# Altium PCB qfc.PcbDoc (part 10 of 13)
Units mil, origin at the board's own origin, x right, y up, seen from the top; angles counter-clockwise.
Board outline 1990 x 2620 mil, 4 copper layers (Top Layer, Mid-Layer 1, Mid-Layer 2, Bottom Layer); 217 components, 187 nets, 805 pads, 370 vias.
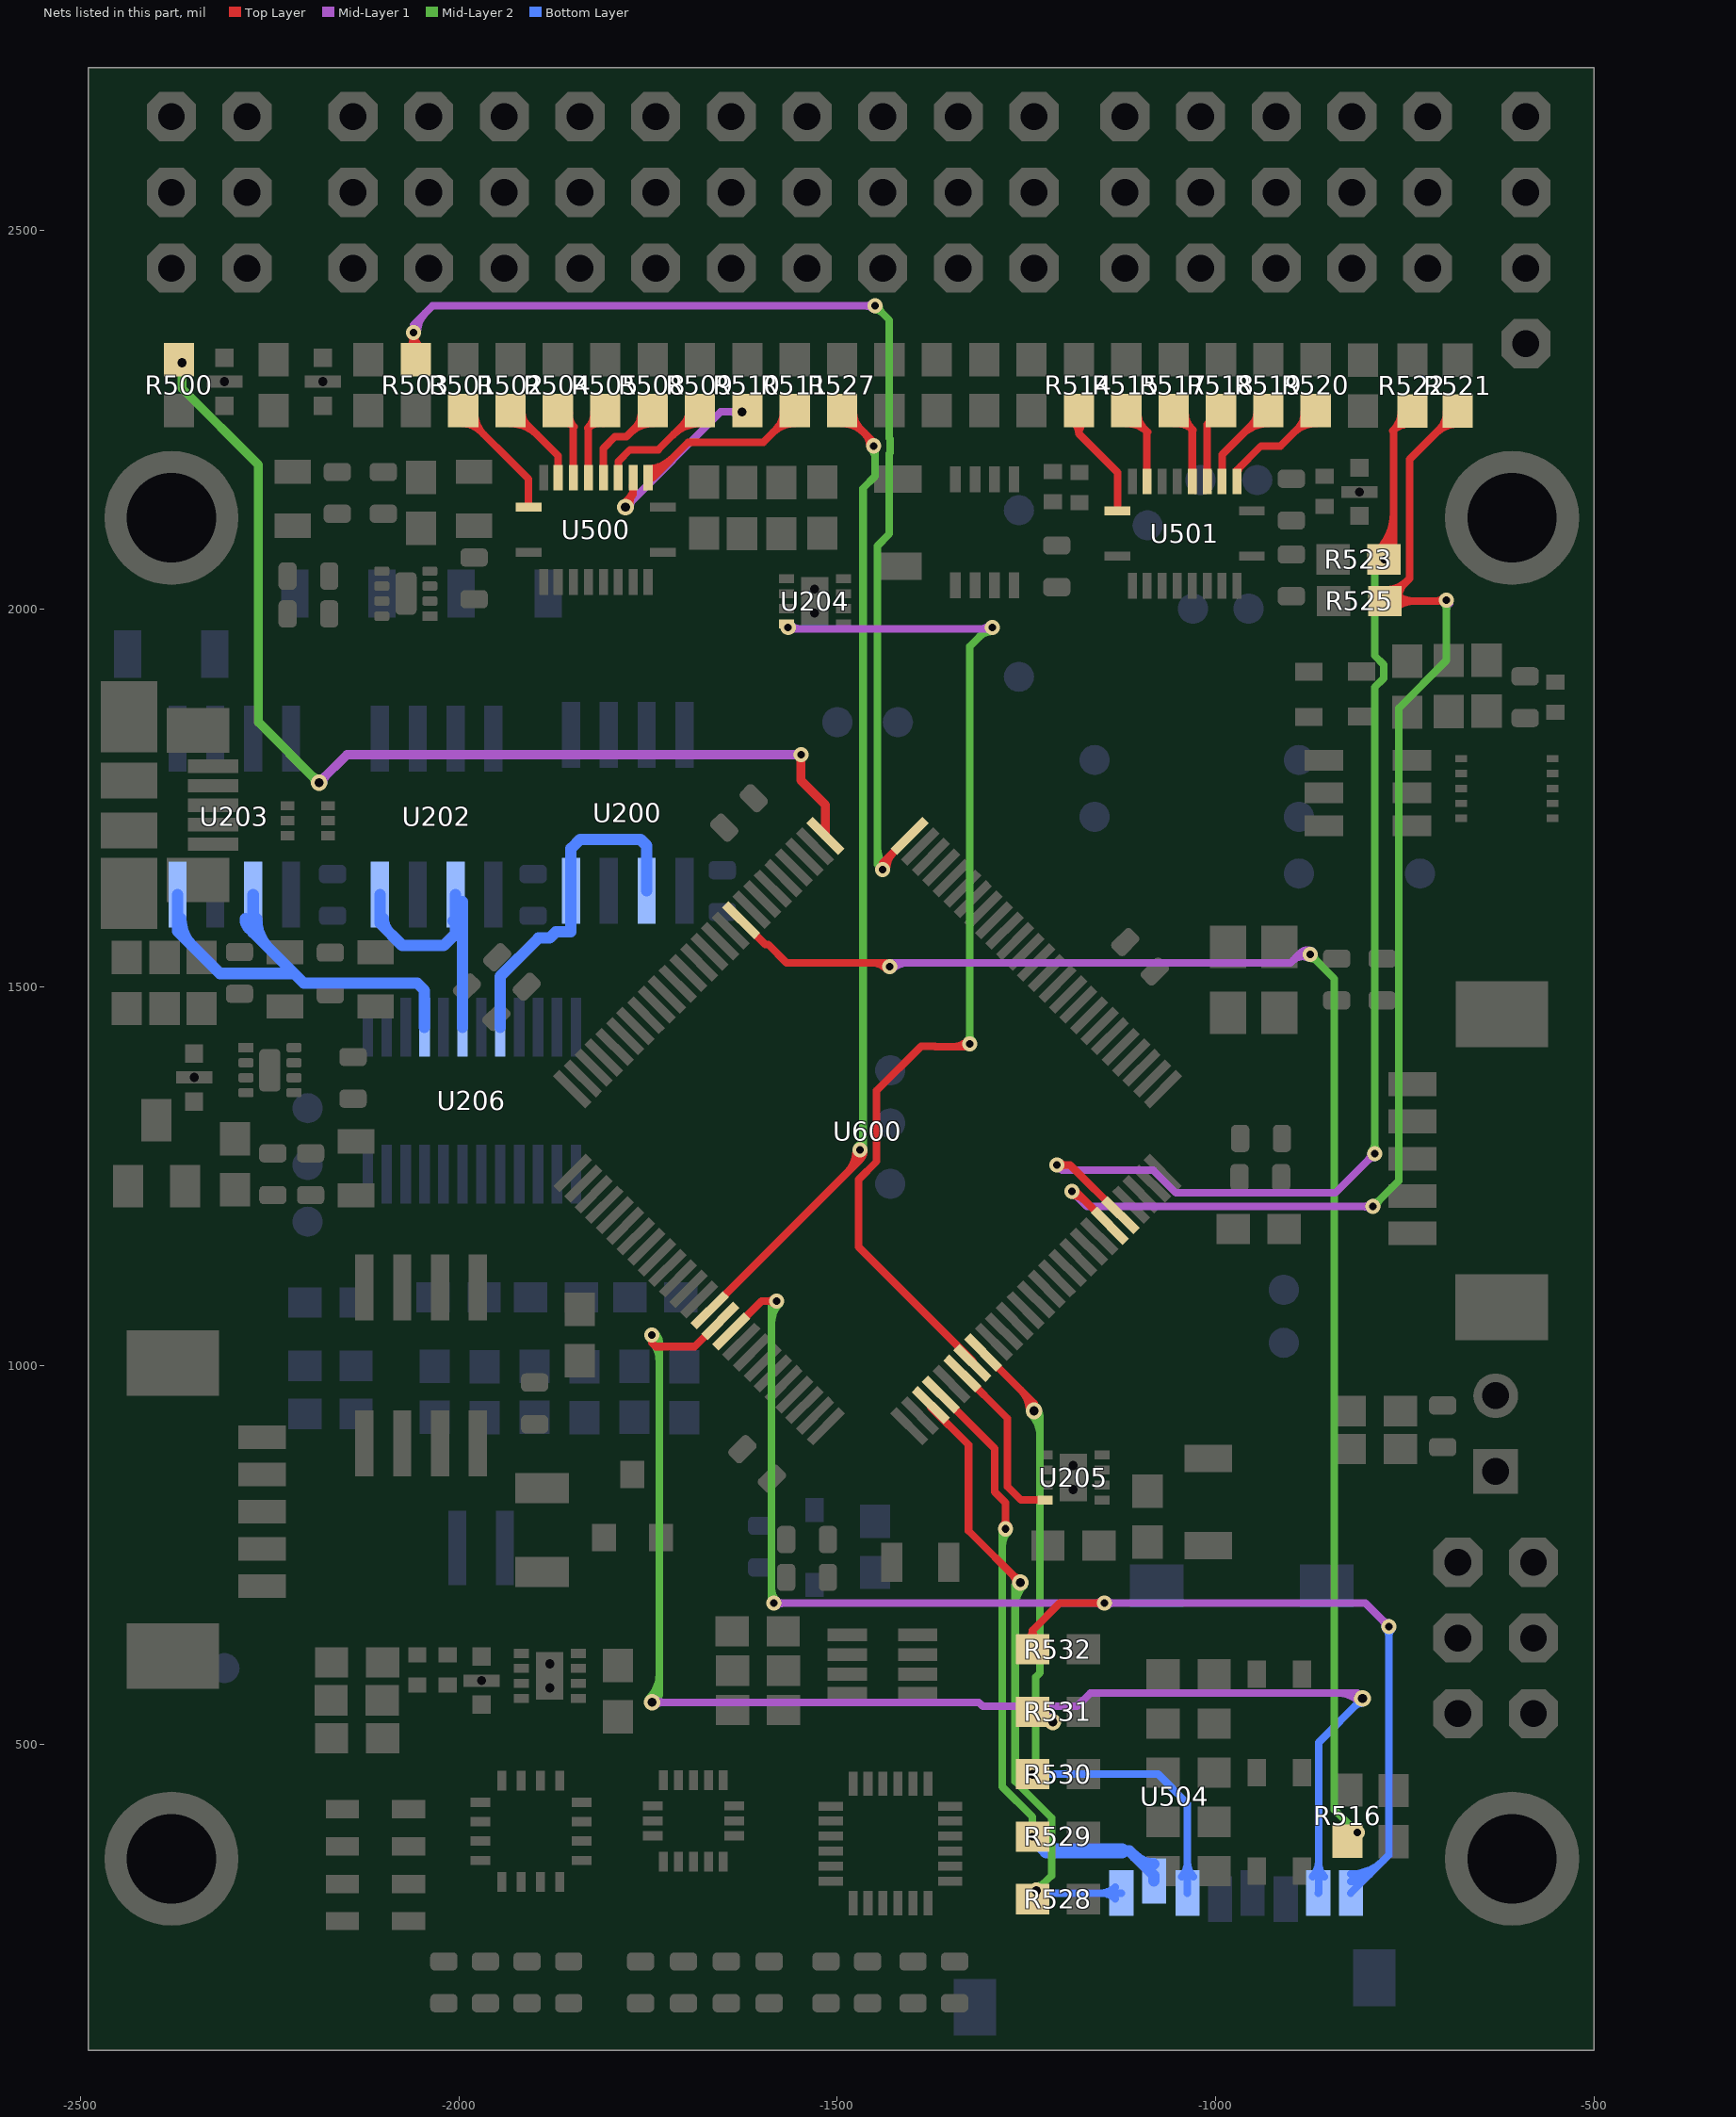
[diagram p12: the nets of this part, all layers, seen from the top]

## Via types
v1: diameter 20, hole 10, Top Layer to Bottom Layer, tented both sides, 256 vias
v2: diameter 22, hole 12, Top Layer to Bottom Layer, tented both sides, 31 vias
v3: diameter 25, hole 15, Top Layer to Bottom Layer, tented both sides, 29 vias
v4: diameter 20, hole 12, Top Layer to Bottom Layer, tented both sides, 17 vias
v5: diameter 30, hole 15, Top Layer to Bottom Layer, tented both sides, 12 vias
v6: diameter 25, hole 12, Top Layer to Bottom Layer, tented both sides, 11 vias
v7: diameter 25, hole 13, Top Layer to Bottom Layer, tented both sides, 5 vias
v8: diameter 40, hole 25, Top Layer to Bottom Layer, tented both sides, 2 vias
v9: diameter 23, hole 13, Top Layer to Bottom Layer, tented both sides, 2 vias
v10: diameter 30, hole 20, Top Layer to Bottom Layer, tented both sides, 2 vias
v11: diameter 20, hole 13, Top Layer to Bottom Layer, tented both sides, 1 vias
v12: diameter 20, hole 15, Top Layer to Bottom Layer, tented both sides, 1 vias
v13: diameter 30, hole 18, Top Layer to Bottom Layer, tented both sides, 1 vias

## Nets (pads, with @x,y where several pads share a name; then routed paths per layer and width w, separated by ;. In a path a pad name is that pad's centre, name@x,y a point inside that pad or via, vN(x,y) a via of type N, cw(c..) or ccw(c..) an arc to the next point about the centre after c; other vN are vias at no path point) (continued)
NetR500_2: R500.2 U600.26 | length 1636.1
  Top Layer w12: R500.2@-2370,2329 v2(-2366,2325) ; v1(-1548,1807) -1548,1773 -1515.68,1740.68 U600.26@-1515.68,1699.75
  Mid-Layer 1 w12: v2(-2185,1770) -2183,1772 -2148,1807 v1(-1548,1807) ; v2@-2185,1775 ccw(c-2185,1787.07) -2176.46,1778.54 ; v2@-2185,1775 ccw(c-2185,1787.07) -2176.46,1778.54 ; v2@-2185,1775 ccw(c-2185,1787.07) -2176.46,1778.54 ; v2@-2185,1775 ccw(c-2185,1787.07) -2176.46,1778.54 ; v2@-2180,1770 cw(c-2167.93,1770) -2176.46,1778.54 ; v2@-2180,1770 cw(c-2167.93,1770) -2176.46,1778.54 ; v2@-2180,1770 cw(c-2167.93,1770) -2176.46,1778.54 ; v2@-2180,1770 cw(c-2167.93,1770) -2176.46,1778.54
  Mid-Layer 2 w12: v2(-2366,2325) -2366,2291 -2265,2190 -2265,1850 v2(-2185,1770) ; v2@-2369.53,2321.46 cw(c-2378.07,2312.93) -2366,2312.93 ; v2@-2369.53,2321.46 cw(c-2378.07,2312.93) -2366,2312.93 ; v2@-2369.53,2321.46 cw(c-2378.07,2312.93) -2366,2312.93 ; v2@-2369.53,2321.46 cw(c-2378.07,2312.93) -2366,2312.93 ; -2366,2312.93 cw(c-2353.93,2312.93) v2@-2362.46,2321.46 ; -2366,2312.93 cw(c-2353.93,2312.93) v2@-2362.46,2321.46 ; -2366,2312.93 cw(c-2353.93,2312.93) v2@-2362.46,2321.46 ; -2366,2312.93 cw(c-2353.93,2312.93) v2@-2362.46,2321.46 ; -2193.54,1778.54 cw(c-2202.07,1770) v2@-2190,1770 ; -2193.54,1778.54 ccw(c-2185,1787.07) v2@-2185,1775 ; -2193.54,1778.54 cw(c-2202.07,1770) v2@-2190,1770 ; -2193.54,1778.54 ccw(c-2185,1787.07) v2@-2185,1775 ; -2193.54,1778.54 cw(c-2202.07,1770) v2@-2190,1770 ; -2193.54,1778.54 ccw(c-2185,1787.07) v2@-2185,1775 ; -2193.54,1778.54 cw(c-2202.07,1770) v2@-2190,1770 ; -2193.54,1778.54 ccw(c-2185,1787.07) v2@-2185,1775
NetR501_1: R501.1 U500.20 | length 390.9
  Top Layer w10: R501.1@-1994.45,2261.54 -1994.45,2257.45 -1908,2171 U500.20@-1908,2134 ; R501.1@-1994.45,2244.54 cw(c-1994.45,2213.37) -1972.41,2235.41 ; R501.1@-1994.45,2244.54 cw(c-1994.45,2213.37) -1972.41,2235.41 ; R501.1@-1994.45,2244.54 cw(c-1994.45,2213.37) -1972.41,2235.41 ; R501.1@-1994.45,2244.54 cw(c-1994.45,2213.37) -1972.41,2235.41 ; R501.1@-1979.45,2259.54 ccw(c-1938.18,2259.54) -1967.36,2230.36 ; R501.1@-1979.45,2259.54 ccw(c-1938.18,2259.54) -1967.36,2230.36 ; R501.1@-1979.45,2259.54 ccw(c-1938.18,2259.54) -1967.36,2230.36 ; R501.1@-1979.45,2259.54 ccw(c-1938.18,2259.54) -1967.36,2230.36
NetR502_1: R502.1 U500.18 | length 422.3
  Top Layer w10: R502.1@-1931.85,2261.54 -1928.54,2261.54 -1869,2202 U500.18@-1869,2173 ; R502.1@-1931.85,2244.54 cw(c-1931.85,2195.49) -1897.17,2230.17 ; R502.1@-1931.85,2244.54 cw(c-1931.85,2195.49) -1897.17,2230.17 ; R502.1@-1931.85,2244.54 cw(c-1931.85,2195.49) -1897.17,2230.17 ; R502.1@-1931.85,2244.54 cw(c-1931.85,2195.49) -1897.17,2230.17 ; R502.1@-1931.85,2254.54 cw(c-1931.85,2229.63) R502.1@-1914.24,2247.24 ; R502.1@-1931.85,2254.54 cw(c-1931.85,2229.63) R502.1@-1914.24,2247.24 ; R502.1@-1931.85,2254.54 cw(c-1931.85,2229.63) R502.1@-1914.24,2247.24 ; R502.1@-1931.85,2254.54 cw(c-1931.85,2229.63) R502.1@-1914.24,2247.24 ; R502.1@-1916.85,2259.54 ccw(c-1893.47,2259.54) -1910,2243 ; R502.1@-1916.85,2259.54 ccw(c-1893.47,2259.54) -1910,2243 ; R502.1@-1916.85,2259.54 ccw(c-1893.47,2259.54) -1910,2243 ; R502.1@-1916.85,2259.54 ccw(c-1893.47,2259.54) -1910,2243
NetR503_2: R503.2 U600.25 | length 2211.8
  Top Layer w10: R503.2@-2057.04,2329 -2060,2331.96 v1(-2060,2365) ; v1(-1440,1655) -1440,1664.07 U600.25@-1404.32,1699.75 ; R503.2@-2067.64,2341.61 ccw(c-2086.1,2360.06) v1@-2060,2360.06 ; R503.2@-2067.64,2341.61 ccw(c-2086.1,2360.06) v1@-2060,2360.06 ; R503.2@-2067.64,2341.61 ccw(c-2086.1,2360.06) v1@-2060,2360.06 ; R503.2@-2067.64,2341.61 ccw(c-2086.1,2360.06) v1@-2060,2360.06 ; v1@-2063.54,2361.46 cw(c-2072.07,2352.93) -2060,2352.93 ; v1@-2063.54,2361.46 cw(c-2072.07,2352.93) -2060,2352.93 ; v1@-2063.54,2361.46 cw(c-2072.07,2352.93) -2060,2352.93 ; v1@-2063.54,2361.46 cw(c-2072.07,2352.93) -2060,2352.93 ; -2060,2352.93 cw(c-2047.93,2352.93) v1@-2056.46,2361.46 ; -2060,2352.93 cw(c-2047.93,2352.93) v1@-2056.46,2361.46 ; -2060,2352.93 cw(c-2047.93,2352.93) v1@-2056.46,2361.46 ; -2060,2352.93 cw(c-2047.93,2352.93) v1@-2056.46,2361.46 ; v1(-2060,2365) ccw(c-2033.85,2365) R503.2@-2048.58,2343.39 ; v1(-2060,2365) ccw(c-2033.85,2365) R503.2@-2048.58,2343.39 ; v1(-2060,2365) ccw(c-2033.85,2365) R503.2@-2048.58,2343.39 ; v1(-2060,2365) ccw(c-2033.85,2365) R503.2@-2048.58,2343.39 ; v1@-1435,1655 cw(c-1401.04,1655) U600.25@-1425.05,1679.02 ; v1@-1435,1655 cw(c-1401.04,1655) U600.25@-1425.05,1679.02 ; v1@-1435,1655 cw(c-1401.04,1655) U600.25@-1425.05,1679.02 ; v1@-1435,1655 cw(c-1401.04,1655) U600.25@-1425.05,1679.02
  Mid-Layer 1 w10: -2060,2375 -2035,2400 v1(-1450,2400) ; v1@-2055,2365 cw(c-2018.79,2365) -2044.39,2390.61 ; v1@-2055,2365 cw(c-2018.79,2365) -2044.39,2390.61 ; v1@-2055,2365 cw(c-2018.79,2365) -2044.39,2390.61 ; v1@-2055,2365 cw(c-2018.79,2365) -2044.39,2390.61 ; -1462.07,2400 cw(c-1462.07,2387.93) v1@-1453.54,2396.46 ; -1462.07,2400 ccw(c-1462.07,2412.07) v1@-1453.54,2403.54 ; -1462.07,2400 cw(c-1462.07,2387.93) v1@-1453.54,2396.46 ; -1462.07,2400 ccw(c-1462.07,2412.07) v1@-1453.54,2403.54 ; -1462.07,2400 cw(c-1462.07,2387.93) v1@-1453.54,2396.46 ; -1462.07,2400 ccw(c-1462.07,2412.07) v1@-1453.54,2403.54 ; -1462.07,2400 cw(c-1462.07,2387.93) v1@-1453.54,2396.46 ; -1462.07,2400 ccw(c-1462.07,2412.07) v1@-1453.54,2403.54
  Mid-Layer 2 w10: v1(-1450,2400) -1431.18,2381.18 -1431.18,2225.34 ; v1@-1447,1662 -1447,2083 -1431.18,2098.82 -1431.18,2204.74 ; -1430,2205.93 -1430,2224.15 ; v1@-1450,2395 cw(c-1450,2382.93) -1441.46,2391.46 ; v1@-1450,2395 cw(c-1450,2382.93) -1441.46,2391.46 ; v1@-1450,2395 cw(c-1450,2382.93) -1441.46,2391.46 ; v1@-1450,2395 cw(c-1450,2382.93) -1441.46,2391.46 ; -1447,1683.97 ccw(c-1411.03,1683.97) v1@-1436.46,1658.54 ; -1447,1683.97 ccw(c-1411.03,1683.97) v1@-1436.46,1658.54 ; -1447,1683.97 ccw(c-1411.03,1683.97) v1@-1436.46,1658.54 ; -1447,1683.97 ccw(c-1411.03,1683.97) v1@-1436.46,1658.54 ; v1@-1445,2400 ccw(c-1432.93,2400) -1441.46,2391.46 ; v1@-1445,2400 ccw(c-1432.93,2400) -1441.46,2391.46 ; v1@-1445,2400 ccw(c-1432.93,2400) -1441.46,2391.46 ; v1@-1445,2400 ccw(c-1432.93,2400) -1441.46,2391.46
NetR504_1: R504.1 U500.17 | length 250.7
  Top Layer w10: R504.1@-1869.26,2261.54 -1849,2241.28 U500.17@-1849,2173 ; R504.1@-1865.48,2245.02 cw(c-1860.88,2227.4) -1848,2240.28 ; R504.1@-1865.48,2245.02 cw(c-1860.88,2227.4) -1848,2240.28 ; R504.1@-1865.48,2245.02 cw(c-1860.88,2227.4) -1848,2240.28 ; R504.1@-1865.48,2245.02 cw(c-1860.88,2227.4) -1848,2240.28 ; R504.1@-1854.34,2258.04 ccw(c-1832.44,2255.84) -1848,2240.28 ; R504.1@-1854.34,2258.04 ccw(c-1832.44,2255.84) -1848,2240.28 ; R504.1@-1854.34,2258.04 ccw(c-1832.44,2255.84) -1848,2240.28 ; R504.1@-1854.34,2258.04 ccw(c-1832.44,2255.84) -1848,2240.28
NetR505_1: R505.1 U500.16 | length 280.8
  Top Layer w10: U500.16@-1829,2173 -1829,2239.21 R505.1@-1806.67,2261.54 ; -1830,2238.21 cw(c-1813.32,2221.53) R505.1@-1809.25,2244.76 ; -1830,2238.21 ccw(c-1850.15,2258.36) R505.1@-1821.66,2259.13 ; -1830,2238.21 cw(c-1813.32,2221.53) R505.1@-1809.25,2244.76 ; -1830,2238.21 ccw(c-1850.15,2258.36) R505.1@-1821.66,2259.13 ; -1830,2238.21 cw(c-1813.32,2221.53) R505.1@-1809.25,2244.76 ; -1830,2238.21 ccw(c-1850.15,2258.36) R505.1@-1821.66,2259.13 ; -1830,2238.21 cw(c-1813.32,2221.53) R505.1@-1809.25,2244.76 ; -1830,2238.21 ccw(c-1850.15,2258.36) R505.1@-1821.66,2259.13
NetR508_1: R508.1 U500.15 | length 352
  Top Layer w10: U500.15@-1809.16,2173 -1809.16,2211.84 -1794,2227 -1778.61,2227 R508.1@-1744.08,2261.54 ; -1773.1,2232.52 cw(c-1744.08,2203.5) R508.1@-1744.08,2244.54 ; -1773.1,2232.52 cw(c-1744.08,2203.5) R508.1@-1744.08,2244.54 ; -1773.1,2232.52 cw(c-1744.08,2203.5) R508.1@-1744.08,2244.54 ; -1773.1,2232.52 cw(c-1744.08,2203.5) R508.1@-1744.08,2244.54 ; -1768.27,2237.34 ccw(c-1790.46,2259.54) R508.1@-1759.08,2259.54 ; -1768.27,2237.34 ccw(c-1790.46,2259.54) R508.1@-1759.08,2259.54 ; -1768.27,2237.34 ccw(c-1790.46,2259.54) R508.1@-1759.08,2259.54 ; -1768.27,2237.34 ccw(c-1790.46,2259.54) R508.1@-1759.08,2259.54
NetR509_1: R509.1 U500.14 | length 465.4
  Top Layer w10: U500.14@-1789.47,2173 -1789.47,2194.53 -1774,2210 -1736.64,2210 -1685.1,2261.54 R509.1@-1681.48,2261.54 ; -1716.69,2229.95 cw(c-1681.48,2194.75) R509.1@-1681.48,2244.54 ; -1716.69,2229.95 cw(c-1681.48,2194.75) R509.1@-1681.48,2244.54 ; -1716.69,2229.95 cw(c-1681.48,2194.75) R509.1@-1681.48,2244.54 ; -1716.69,2229.95 cw(c-1681.48,2194.75) R509.1@-1681.48,2244.54 ; -1703.11,2243.53 ccw(c-1719.12,2259.54) R509.1@-1696.48,2259.54 ; -1703.11,2243.53 ccw(c-1719.12,2259.54) R509.1@-1696.48,2259.54 ; -1703.11,2243.53 ccw(c-1719.12,2259.54) R509.1@-1696.48,2259.54 ; -1703.11,2243.53 ccw(c-1719.12,2259.54) R509.1@-1696.48,2259.54 ; R509.1@-1699.62,2247.03 cw(c-1681.48,2228.89) R509.1@-1681.48,2254.54 ; R509.1@-1699.62,2247.03 cw(c-1681.48,2228.89) R509.1@-1681.48,2254.54 ; R509.1@-1699.62,2247.03 cw(c-1681.48,2228.89) R509.1@-1681.48,2254.54 ; R509.1@-1699.62,2247.03 cw(c-1681.48,2228.89) R509.1@-1681.48,2254.54
NetR510_1: R510.1 U500.13 | length 566.3
  Top Layer w10: v2(-1780,2134) -1780,2141 -1769.79,2151.21 ; U500.13@-1769.79,2173 -1769.79,2151.21 ; -1774.61,2146.39 ccw(c-1785.5,2157.29) U500.13@-1770.74,2161.71 ; -1774.61,2146.39 ccw(c-1785.5,2157.29) U500.13@-1770.74,2161.71 ; -1774.61,2146.39 ccw(c-1785.5,2157.29) U500.13@-1770.74,2161.71 ; -1774.61,2146.39 ccw(c-1785.5,2157.29) U500.13@-1770.74,2161.71 ; v2@-1774.18,2135.44 cw(c-1758.02,2139.44) -1769.79,2151.21 ; v2@-1774.18,2135.44 cw(c-1758.02,2139.44) -1769.79,2151.21 ; v2@-1774.18,2135.44 cw(c-1758.02,2139.44) -1769.79,2151.21 ; v2@-1774.18,2135.44 cw(c-1758.02,2139.44) -1769.79,2151.21
  Mid-Layer 1 w10: v2(-1780,2134) -1654,2260 v2(-1626,2260) ; v2@-1780,2140 ccw(c-1780,2154.49) -1769.76,2144.24 ; v2@-1780,2140 ccw(c-1780,2154.49) -1769.76,2144.24 ; v2@-1780,2140 ccw(c-1780,2154.49) -1769.76,2144.24 ; v2@-1780,2140 ccw(c-1780,2154.49) -1769.76,2144.24 ; v2@-1774,2134 cw(c-1759.51,2134) -1769.76,2144.24 ; v2@-1774,2134 cw(c-1759.51,2134) -1769.76,2144.24 ; v2@-1774,2134 cw(c-1759.51,2134) -1769.76,2144.24 ; v2@-1774,2134 cw(c-1759.51,2134) -1769.76,2144.24 ; -1640.49,2260 cw(c-1640.49,2245.51) v2@-1630.24,2255.76 ; -1640.49,2260 ccw(c-1640.49,2274.49) v2@-1630.24,2264.24 ; -1640.49,2260 cw(c-1640.49,2245.51) v2@-1630.24,2255.76 ; -1640.49,2260 ccw(c-1640.49,2274.49) v2@-1630.24,2264.24 ; -1640.49,2260 cw(c-1640.49,2245.51) v2@-1630.24,2255.76 ; -1640.49,2260 ccw(c-1640.49,2274.49) v2@-1630.24,2264.24 ; -1640.49,2260 cw(c-1640.49,2245.51) v2@-1630.24,2255.76 ; -1640.49,2260 ccw(c-1640.49,2274.49) v2@-1630.24,2264.24
NetR511_1: R511.1 U500.12 | length 656.7
  Top Layer w10: U500.12@-1750.1,2173 -1744,2173 -1697,2220 -1597.83,2220 R511.1@-1556.3,2261.54 ; U500.12@-1750.1,2175 ccw(c-1750.1,2194.56) -1736.27,2180.73 ; U500.12@-1750.1,2175 ccw(c-1750.1,2194.56) -1736.27,2180.73 ; U500.12@-1750.1,2175 ccw(c-1750.1,2194.56) -1736.27,2180.73 ; U500.12@-1750.1,2175 ccw(c-1750.1,2194.56) -1736.27,2180.73 ; U500.12@-1750.1,2185 ccw(c-1750.1,2228.7) -1719.2,2197.8 ; U500.12@-1750.1,2185 ccw(c-1750.1,2228.7) -1719.2,2197.8 ; U500.12@-1750.1,2185 ccw(c-1750.1,2228.7) -1719.2,2197.8 ; U500.12@-1750.1,2185 ccw(c-1750.1,2228.7) -1719.2,2197.8 ; -1585.32,2232.52 cw(c-1556.3,2203.5) R511.1@-1556.3,2244.54 ; -1585.32,2232.52 cw(c-1556.3,2203.5) R511.1@-1556.3,2244.54 ; -1585.32,2232.52 cw(c-1556.3,2203.5) R511.1@-1556.3,2244.54 ; -1585.32,2232.52 cw(c-1556.3,2203.5) R511.1@-1556.3,2244.54 ; -1580.49,2237.34 ccw(c-1602.68,2259.54) R511.1@-1571.3,2259.54 ; -1580.49,2237.34 ccw(c-1602.68,2259.54) R511.1@-1571.3,2259.54 ; -1580.49,2237.34 ccw(c-1602.68,2259.54) R511.1@-1571.3,2259.54 ; -1580.49,2237.34 ccw(c-1602.68,2259.54) R511.1@-1571.3,2259.54
NetR514_1: R514.1 U501.20 | length 308.4
  Top Layer w10: R514.1@-1180.74,2261.54 -1180.74,2230.74 ; U501.20@-1129.76,2128.96 -1129.76,2179.76 -1180.74,2230.74 ; R514.1@-1189.34,2247.24 cw(c-1200.88,2230.74) -1180.74,2230.74 ; R514.1@-1189.34,2247.24 cw(c-1200.88,2230.74) -1180.74,2230.74 ; R514.1@-1189.34,2247.24 cw(c-1200.88,2230.74) -1180.74,2230.74 ; R514.1@-1189.34,2247.24 cw(c-1200.88,2230.74) -1180.74,2230.74 ; -1180.74,2230.74 cw(c-1160.61,2230.74) R514.1@-1172.15,2247.24 ; -1180.74,2230.74 cw(c-1160.61,2230.74) R514.1@-1172.15,2247.24 ; -1180.74,2230.74 cw(c-1160.61,2230.74) R514.1@-1172.15,2247.24 ; -1180.74,2230.74 cw(c-1160.61,2230.74) R514.1@-1172.15,2247.24
NetR515_1: R515.1 U501.18 | length 328.3
  Top Layer w10: R515.1@-1118.15,2261.54 -1090.76,2234.14 U501.18@-1090.76,2167.96 ; R515.1@-1117.91,2244.54 cw(c-1117.28,2205.63) -1089.76,2233.15 ; R515.1@-1117.91,2244.54 cw(c-1117.28,2205.63) -1089.76,2233.15 ; R515.1@-1117.91,2244.54 cw(c-1117.28,2205.63) -1089.76,2233.15 ; R515.1@-1117.91,2244.54 cw(c-1117.28,2205.63) -1089.76,2233.15 ; R515.1@-1103.15,2259.54 ccw(c-1071.77,2259.54) -1093.96,2237.34 ; R515.1@-1103.15,2259.54 ccw(c-1071.77,2259.54) -1093.96,2237.34 ; R515.1@-1103.15,2259.54 ccw(c-1071.77,2259.54) -1093.96,2237.34 ; R515.1@-1103.15,2259.54 ccw(c-1071.77,2259.54) -1093.96,2237.34
NetR516_1: R516.1 U600.34 | length 2680.5
  Top Layer w10: U600.34@-1627.03,1588.39 -1595,1556.36 -1591.2,1556.36 -1566.94,1532.1 -1436.1,1532.1 v1(-1431,1527) ; R516.1@-825.76,371.5 -825.5,371.5 R516.1@-813,384 ; -1455.38,1532.1 cw(c-1455.38,1502.62) v1@-1434.54,1523.46 ; -1455.38,1532.1 cw(c-1455.38,1502.62) v1@-1434.54,1523.46 ; -1455.38,1532.1 cw(c-1455.38,1502.62) v1@-1434.54,1523.46 ; -1455.38,1532.1 cw(c-1455.38,1502.62) v1@-1434.54,1523.46 ; R516.1@-823.24,373.76 cw(c-813,363.51) R516.1@-813,378 ; R516.1@-823.24,373.76 cw(c-813,363.51) R516.1@-813,378 ; R516.1@-823.24,373.76 cw(c-813,363.51) R516.1@-813,378 ; R516.1@-820.83,376.17 ccw(c-827.66,383) R516.1@-818,383 ; R516.1@-820.83,376.17 ccw(c-827.66,383) R516.1@-818,383 ; R516.1@-820.83,376.17 ccw(c-827.66,383) R516.1@-818,383
  Mid-Layer 1 w10: v1@-1428.9,1532.1 -900.86,1532.1 -889.96,1543 v1(-875,1543) ; v1@-1427.46,1523.46 cw(c-1406.62,1502.62) -1406.62,1532.1 ; v1@-1427.46,1523.46 cw(c-1406.62,1502.62) -1406.62,1532.1 ; v1@-1427.46,1523.46 cw(c-1406.62,1502.62) -1406.62,1532.1 ; v1@-1427.46,1523.46 cw(c-1406.62,1502.62) -1406.62,1532.1 ; -897.44,1535.52 cw(c-885.31,1523.39) v1@-877.33,1538.57 ; -897.44,1535.52 cw(c-885.31,1523.39) v1@-877.33,1538.57 ; -897.44,1535.52 cw(c-885.31,1523.39) v1@-877.33,1538.57 ; -897.44,1535.52 cw(c-885.31,1523.39) v1@-877.33,1538.57 ; -891.74,1541.22 cw(c-875.36,1524.85) v1@-874.9,1548 ; -891.74,1541.22 cw(c-875.36,1524.85) v1@-874.9,1548 ; -891.74,1541.22 cw(c-875.36,1524.85) v1@-874.9,1548 ; -891.74,1541.22 cw(c-875.36,1524.85) v1@-874.9,1548 ; -887.83,1545.12 cw(c-878.69,1535.98) v1@-872.67,1547.43 ; -887.83,1545.12 cw(c-878.69,1535.98) v1@-872.67,1547.43 ; -887.83,1545.12 cw(c-878.69,1535.98) v1@-872.67,1547.43 ; -887.83,1545.12 cw(c-878.69,1535.98) v1@-872.67,1547.43 ; -887.07,1543 cw(c-887.07,1530.93) v1@-878.54,1539.46 ; -887.07,1543 ccw(c-887.07,1555.07) v1@-878.54,1546.54 ; -887.07,1543 cw(c-887.07,1530.93) v1@-878.54,1539.46 ; -887.07,1543 ccw(c-887.07,1555.07) v1@-878.54,1546.54 ; -887.07,1543 cw(c-887.07,1530.93) v1@-878.54,1539.46 ; -887.07,1543 ccw(c-887.07,1555.07) v1@-878.54,1546.54 ; -887.07,1543 cw(c-887.07,1530.93) v1@-878.54,1539.46 ; -887.07,1543 ccw(c-887.07,1555.07) v1@-878.54,1546.54
  Mid-Layer 2 w10: v1(-875,1543) -843,1511 -843,413 v1(-813,383) ; v1@-875,1538 cw(c-875,1525.93) -866.46,1534.46 ; v1@-875,1538 cw(c-875,1525.93) -866.46,1534.46 ; v1@-875,1538 cw(c-875,1525.93) -866.46,1534.46 ; v1@-875,1538 cw(c-875,1525.93) -866.46,1534.46 ; v1@-870,1543 ccw(c-857.93,1543) -866.46,1534.46 ; v1@-870,1543 ccw(c-857.93,1543) -866.46,1534.46 ; v1@-870,1543 ccw(c-857.93,1543) -866.46,1534.46 ; v1@-870,1543 ccw(c-857.93,1543) -866.46,1534.46 ; -821.54,391.54 cw(c-830.07,383) v1@-818,383 ; -821.54,391.54 ccw(c-813,400.07) v1@-813,388 ; -821.54,391.54 cw(c-830.07,383) v1@-818,383 ; -821.54,391.54 ccw(c-813,400.07) v1@-813,388 ; -821.54,391.54 cw(c-830.07,383) v1@-818,383 ; -821.54,391.54 ccw(c-813,400.07) v1@-813,388 ; -821.54,391.54 cw(c-830.07,383) v1@-818,383 ; -821.54,391.54 ccw(c-813,400.07) v1@-813,388
NetR517_1: R517.1 U501.15 | length 308.7
  Top Layer w10: R517.1@-1055.56,2261.54 -1030.91,2236.89 U501.15@-1030.91,2167.96 ; R517.1@-1054.14,2244.6 cw(c-1051.27,2214.54) -1029.92,2235.9 ; R517.1@-1054.14,2244.6 cw(c-1051.27,2214.54) -1029.92,2235.9 ; R517.1@-1054.14,2244.6 cw(c-1051.27,2214.54) -1029.92,2235.9 ; R517.1@-1054.14,2244.6 cw(c-1051.27,2214.54) -1029.92,2235.9 ; R517.1@-1040.56,2259.54 ccw(c-1009.17,2259.54) -1031.37,2237.34 ; R517.1@-1040.56,2259.54 ccw(c-1009.17,2259.54) -1031.37,2237.34 ; R517.1@-1040.56,2259.54 ccw(c-1009.17,2259.54) -1031.37,2237.34 ; R517.1@-1040.56,2259.54 ccw(c-1009.17,2259.54) -1031.37,2237.34
NetR518_1: R518.1 U501.14 | length 101.1
  Top Layer w10: U501.14@-1011.23,2167.96 -1011.23,2243.27 R518.1@-992.97,2261.54
NetR519_1: R519.1 U501.13 | length 424.8
  Top Layer w10: U501.13@-991.54,2167.96 -991.54,2203.46 -933.46,2261.54 R519.1@-930.37,2261.54 ; -964.67,2230.33 cw(c-930.37,2196.03) R519.1@-930.37,2244.54 ; -964.67,2230.33 cw(c-930.37,2196.03) R519.1@-930.37,2244.54 ; -964.67,2230.33 cw(c-930.37,2196.03) R519.1@-930.37,2244.54 ; -964.67,2230.33 cw(c-930.37,2196.03) R519.1@-930.37,2244.54 ; -952.38,2242.62 ccw(c-969.3,2259.54) R519.1@-945.37,2259.54 ; -952.38,2242.62 ccw(c-969.3,2259.54) R519.1@-945.37,2259.54 ; -952.38,2242.62 ccw(c-969.3,2259.54) R519.1@-945.37,2259.54 ; -952.38,2242.62 ccw(c-969.3,2259.54) R519.1@-945.37,2259.54 ; R519.1@-947.6,2247.4 cw(c-930.37,2230.18) R519.1@-930.37,2254.54 ; R519.1@-947.6,2247.4 cw(c-930.37,2230.18) R519.1@-930.37,2254.54 ; R519.1@-947.6,2247.4 cw(c-930.37,2230.18) R519.1@-930.37,2254.54 ; R519.1@-947.6,2247.4 cw(c-930.37,2230.18) R519.1@-930.37,2254.54
NetR520_1: R520.1 U501.12 | length 418.6
  Top Layer w10: U501.12@-971.86,2167.96 -971.86,2183.14 -940,2215 -914.32,2215 R520.1@-867.78,2261.54 ; U501.12@-970.86,2178.96 cw(c-958.35,2178.96) -967.2,2187.8 ; U501.12@-970.86,2178.96 cw(c-958.35,2178.96) -967.2,2187.8 ; U501.12@-970.86,2178.96 cw(c-958.35,2178.96) -967.2,2187.8 ; U501.12@-970.86,2178.96 cw(c-958.35,2178.96) -967.2,2187.8 ; -896.8,2232.52 cw(c-867.78,2203.5) R520.1@-867.78,2244.54 ; -896.8,2232.52 cw(c-867.78,2203.5) R520.1@-867.78,2244.54 ; -896.8,2232.52 cw(c-867.78,2203.5) R520.1@-867.78,2244.54 ; -896.8,2232.52 cw(c-867.78,2203.5) R520.1@-867.78,2244.54 ; -891.97,2237.34 ccw(c-914.16,2259.54) R520.1@-882.78,2259.54 ; -891.97,2237.34 ccw(c-914.16,2259.54) R520.1@-882.78,2259.54 ; -891.97,2237.34 ccw(c-914.16,2259.54) R520.1@-882.78,2259.54 ; -891.97,2237.34 ccw(c-914.16,2259.54) R520.1@-882.78,2259.54
NetR521_2: R521.2 R525.1 U600.95 | length 2800.3
  Top Layer w10: v1(-1190,1230) -1185.13,1230 U600.95@-1139.82,1184.7 ; v1(-695,2011) -696,2010 -773.56,2010 -743.54,2040.03 -743.54,2197.47 R521.2@-680,2261 ; v1@-1190,1225 cw(c-1190,1201.16) -1173.14,1218.02 ; v1@-1190,1225 cw(c-1190,1201.16) -1173.14,1218.02 ; v1@-1190,1225 cw(c-1190,1201.16) -1173.14,1218.02 ; v1@-1190,1225 cw(c-1190,1201.16) -1173.14,1218.02 ; R525.1@-774.54,2025 ccw(c-774.54,2063.56) -747.27,2036.29 ; R525.1@-774.54,2025 ccw(c-774.54,2063.56) -747.27,2036.29 ; R525.1@-774.54,2025 ccw(c-774.54,2063.56) -747.27,2036.29 ; R525.1@-774.54,2025 ccw(c-774.54,2063.56) -747.27,2036.29 ; R525.1@-763.93,1999.39 cw(c-738.32,1973.79) -738.32,2010 ; R525.1@-763.93,1999.39 cw(c-738.32,1973.79) -738.32,2010 ; R525.1@-763.93,1999.39 cw(c-738.32,1973.79) -738.32,2010 ; R525.1@-763.93,1999.39 cw(c-738.32,1973.79) -738.32,2010 ; R525.1@-763.93,2020.61 ccw(c-738.32,2046.21) -738.32,2010 ; R525.1@-763.93,2020.61 ccw(c-738.32,2046.21) -738.32,2010 ; R525.1@-763.93,2020.61 ccw(c-738.32,2046.21) -738.32,2010 ; R525.1@-763.93,2020.61 ccw(c-738.32,2046.21) -738.32,2010 ; R525.1@-759.54,2010 cw(c-725.67,2010) -749.62,2033.95 ; R525.1@-759.54,2010 cw(c-725.67,2010) -749.62,2033.95 ; R525.1@-759.54,2010 cw(c-725.67,2010) -749.62,2033.95 ; R525.1@-759.54,2010 cw(c-725.67,2010) -749.62,2033.95 ; -709.48,2010 ccw(c-709.48,2025.48) v1@-698.54,2014.54 ; -709.48,2010 ccw(c-709.48,2025.48) v1@-698.54,2014.54 ; -709.48,2010 ccw(c-709.48,2025.48) v1@-698.54,2014.54 ; -709.48,2010 ccw(c-709.48,2025.48) v1@-698.54,2014.54 ; -709.02,2231.98 cw(c-680,2202.96) R521.2@-680,2244 ; -709.02,2231.98 cw(c-680,2202.96) R521.2@-680,2244 ; -709.02,2231.98 cw(c-680,2202.96) R521.2@-680,2244 ; -709.02,2231.98 cw(c-680,2202.96) R521.2@-680,2244 ; -704.19,2236.81 ccw(c-726.39,2259) R521.2@-695,2259 ; -704.19,2236.81 ccw(c-726.39,2259) R521.2@-695,2259 ; -704.19,2236.81 ccw(c-726.39,2259) R521.2@-695,2259 ; -704.19,2236.81 ccw(c-726.39,2259) R521.2@-695,2259